# Altium PCB PCB3.PcbDoc (part 5 of 8) (continued)
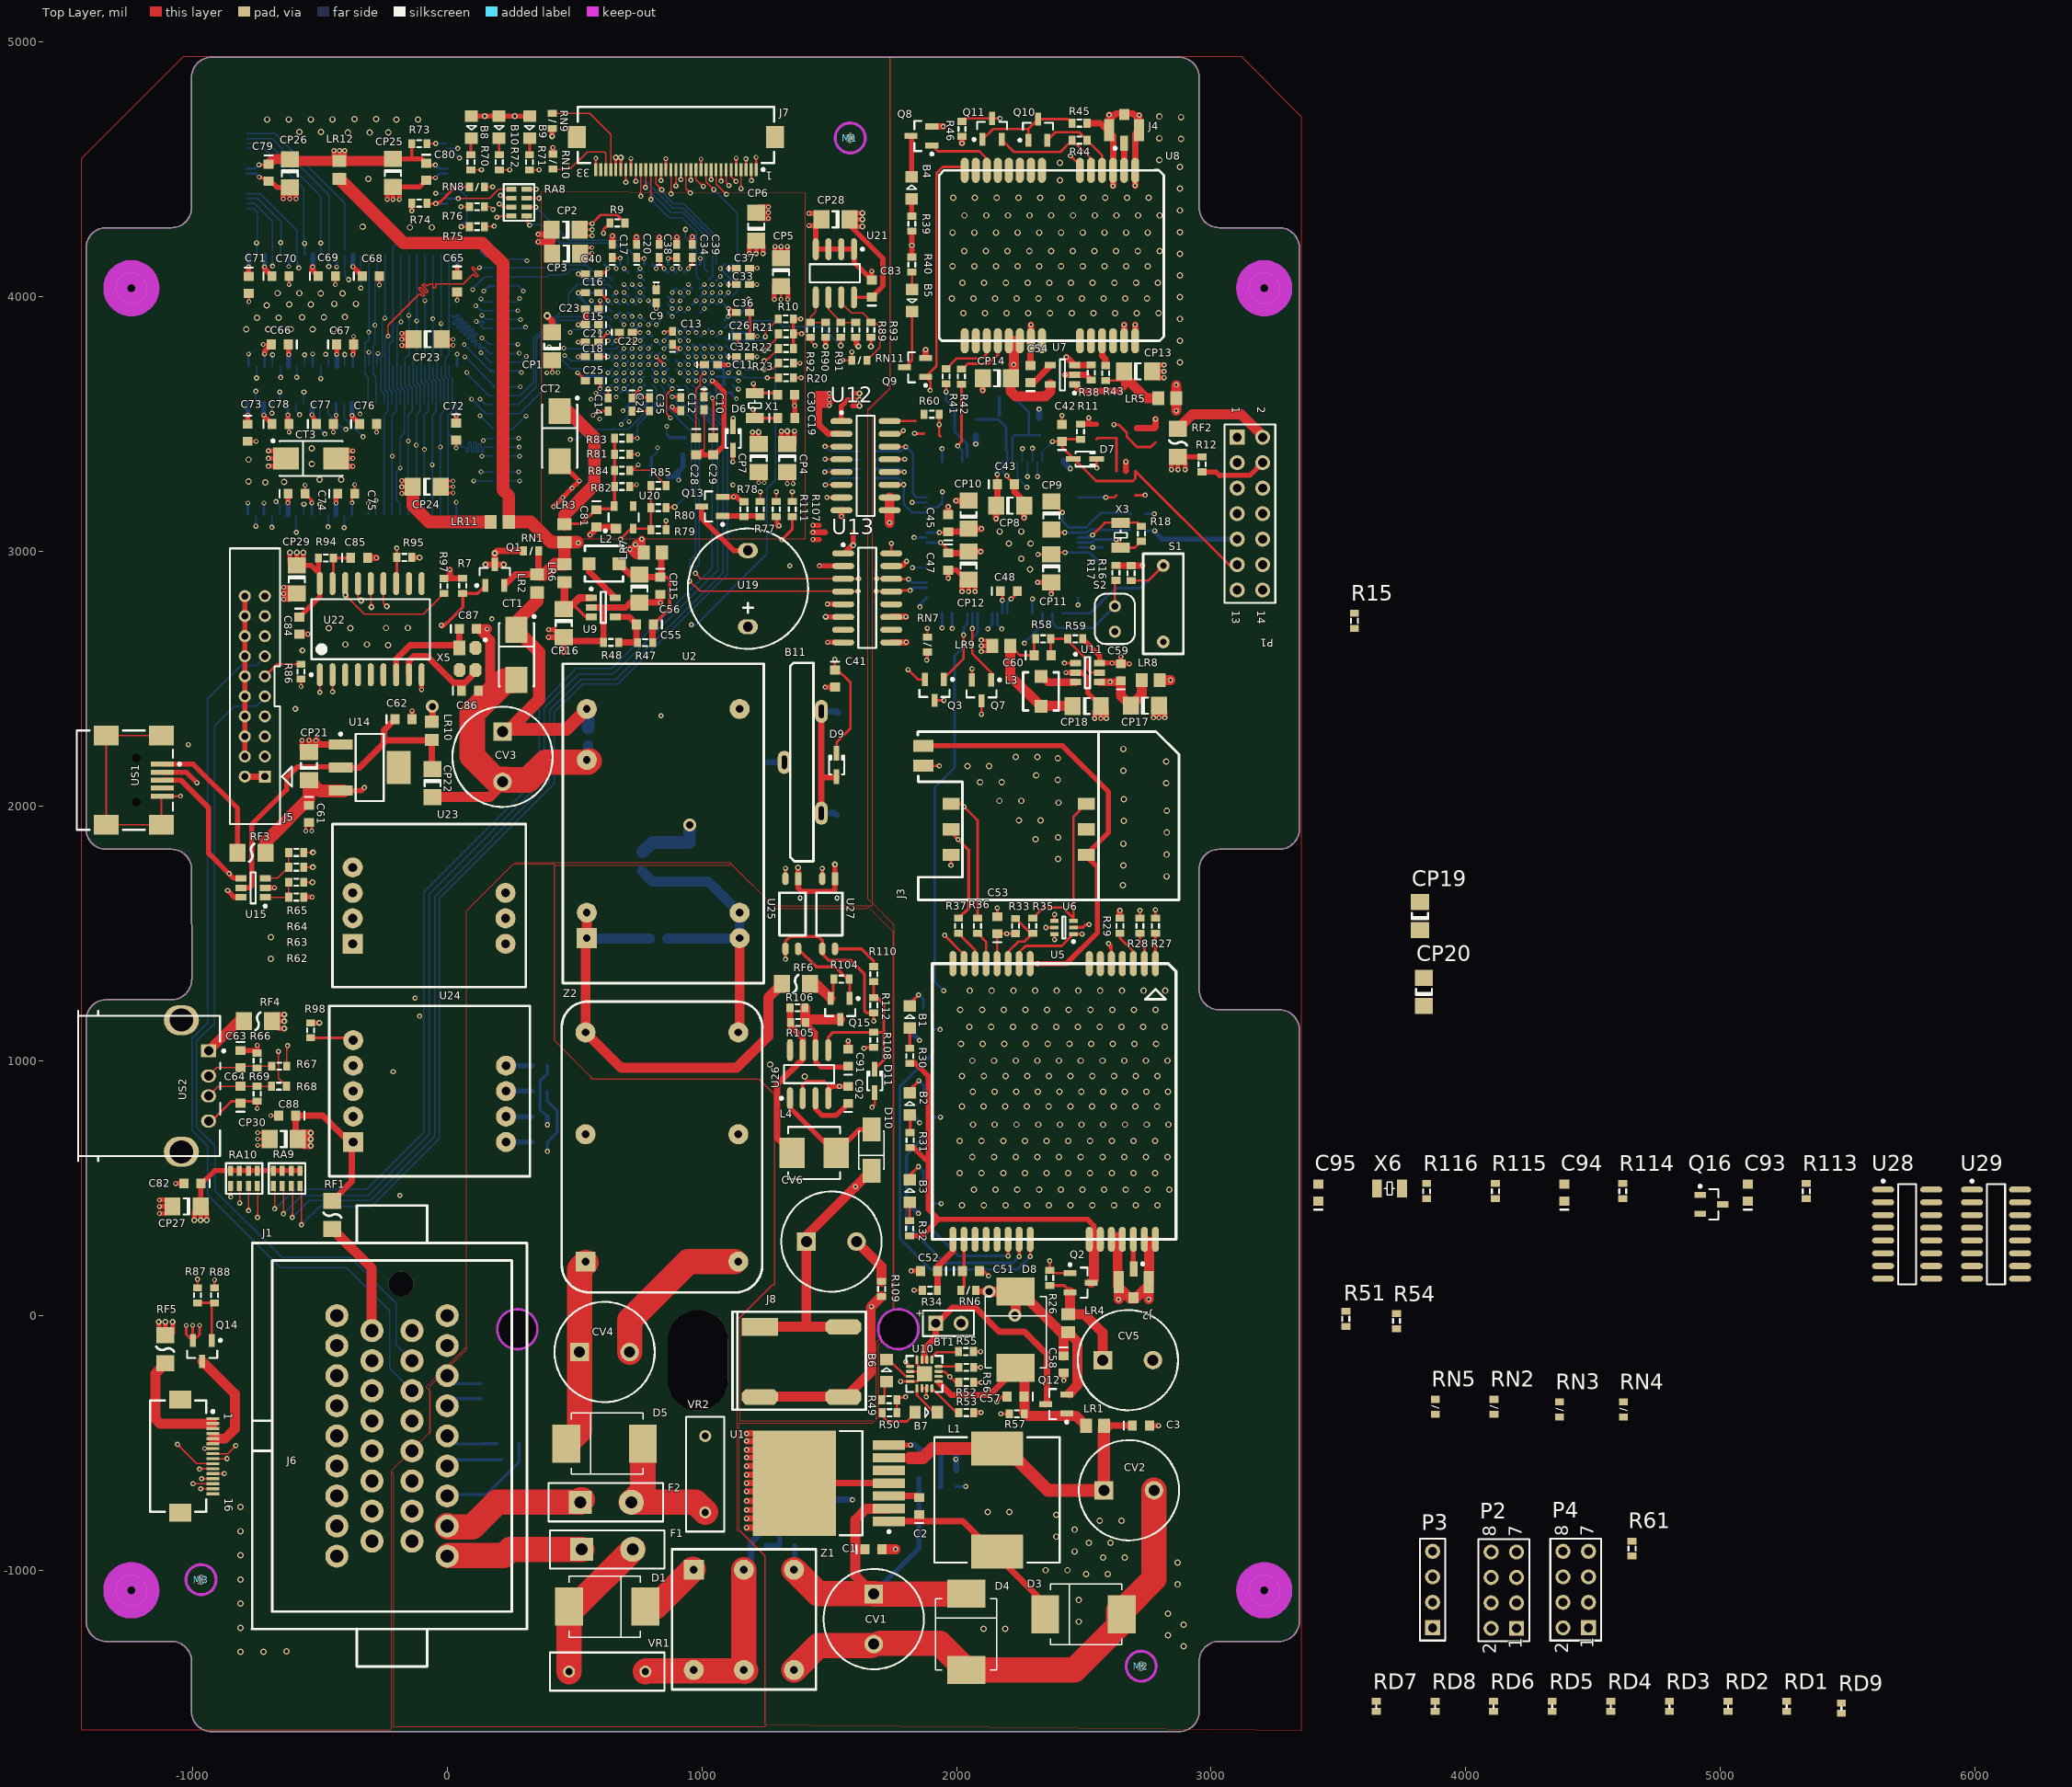
[diagram p0: Top Layer view]
## Nets (pads, with @x,y where several pads share a name; then routed paths per layer and width w, separated by ;. In a path a pad name is that pad's centre, name@x,y a point inside that pad or via, vN(x,y) a via of type N, cw(c..) or ccw(c..) an arc to the next point about the centre after c; other vN are vias at no path point) (continued)
LDATA25: U3.G12 U17.44 | length 1934
  ADDR w5: v1@709.45,3515.36 ccw(c698.36,3526.46) 714.05,3526.46 ccw(c729.74,3526.46) v1@718.65,3515.36 ; v1(714.05,3510.77) 714.05,3534.39 773.35,3593.69 773.35,3749.2 v1(789.34,3765.2) ; v1@782.84,3765.2 cw(c767.15,3765.2) 778.25,3754.1 cw(c789.34,3743.01) v1@789.34,3758.7
  DATA w5: v2@-467.9,3089.34 cw(c-467.9,3071.23) -455.1,3084.03 cw(c-442.29,3096.84) v2@-460.4,3096.84 ; v2(-467.9,3096.84) -444.88,3073.82 287.4,3073.82 714.05,3500.47 ; 695.67,3482.09 ccw(c666.99,3510.77) v1@707.55,3510.77 ; 704.2,3490.62 ccw(c684.06,3510.77) v1@712.55,3510.77 ; v1@711.25,3504.9 cw(c709.14,3500.47) 714.05,3500.47 ; 712.74,3499.16 ccw(c701.13,3510.77) v1@717.55,3510.77 ; v1(714.05,3510.77) 714.05,3500.47 ; v1@716.85,3504.9 ccw(c718.96,3500.47) 714.05,3500.47
  Bottom Layer w5: v2@-473.2,3102.14 ccw(c-486.01,3114.94) -467.9,3114.94 ccw(c-449.79,3114.94) v2@-462.6,3102.14 ; v2(-467.9,3096.84) U17.44@-467.9,3144.93
  Bottom Layer w10: v1(789.34,3765.2) U3.G12@805.09,3780.95 ; v1@789.34,3769.2 ccw(c789.34,3778.86) 796.17,3772.03 ccw(c803,3765.2) v1@793.34,3765.2
LDATA26: U3.F14 U17.45 | length 1758.2
  DATA w5: v2@-499.4,3179.13 cw(c-499.4,3161.02) -486.59,3173.83 cw(c-473.79,3186.63) v2@-491.9,3186.63 ; v2(-499.4,3186.63) -445.64,3132.87 259.38,3132.87 663.61,3537.1 711.12,3537.1 773.35,3599.33 773.35,3686.71 v1(757.85,3702.21) ; v1@757.85,3695.71 cw(c757.85,3680.01) 768.95,3691.11 cw(c780.04,3702.21) v1@764.35,3702.21
  Bottom Layer w5: v2@-504.7,3181.33 cw(c-517.5,3168.52) -499.4,3168.52 cw(c-481.29,3168.52) v2@-494.09,3181.33 ; U17.45@-499.4,3144.93 v2(-499.4,3186.63)
  Bottom Layer w10: v1(757.85,3702.21) U3.F14@773.6,3717.95 ; v1@757.85,3706.21 ccw(c757.85,3715.86) 764.68,3709.03 ccw(c771.51,3702.21) v1@761.85,3702.21
LDATA27: U3.F12 U17.47 | length 1834.6
  DATA w5: v2(-562.39,3186.63) -536.42,3212.6 -429.13,3212.6 -370.08,3153.54 257.41,3153.54 742.1,3638.23 742.1,3749.45 v1(757.85,3765.2) ; v2@-562.39,3194.13 ccw(c-562.39,3212.24) -549.58,3199.43 ccw(c-536.78,3186.63) v2@-554.89,3186.63 ; v1@751.35,3765.2 cw(c735.66,3765.2) 746.75,3754.1 cw(c757.85,3743.01) v1@757.85,3758.7
  Bottom Layer w5: v2@-567.69,3181.33 cw(c-580.49,3168.52) -562.39,3168.52 cw(c-544.28,3168.52) v2@-557.08,3181.33 ; U17.47@-562.39,3144.93 v2(-562.39,3186.63)
  Bottom Layer w10: v1(757.85,3765.2) U3.F12@773.6,3780.95 ; v1@757.85,3769.2 ccw(c757.85,3778.86) 764.68,3772.03 ccw(c771.51,3765.2) v1@761.85,3765.2
LDATA28: U3.G11 U17.48 | length 2042.4
  ADDR w5: v2@-592.55,3077.91 -589.42,3077.91 -553.99,3113.34 193.18,3113.34 203.71,3102.8 541.31,3440.39 688.95,3440.39 805.09,3556.54 805.09,3780.95 v1(789.34,3796.69) ; v2@-592.52,3083.29 ccw(c-592.52,3103.77) -578.04,3089.29 ; v2@-585.02,3075.79 cw(c-569.29,3075.79) -580.41,3086.91 ; v1@789.34,3790.19 cw(c789.34,3774.5) 800.44,3785.6 cw(c811.54,3796.69) v1@795.84,3796.69
  Bottom Layer w5: v2@-597.82,3081.09 ccw(c-607.33,3090.6) -593.88,3090.6 ; -593.88,3097.19 ccw(c-571.12,3097.19) v2@-587.22,3081.09 ; U17.48@-593.88,3144.93 -593.88,3076.17 v2@-591.54,3073.82
  Bottom Layer w10: v1(789.34,3796.69) U3.G11@805.09,3812.44 ; v1@789.34,3800.69 ccw(c789.34,3810.35) 796.17,3803.52 ccw(c803,3796.69) v1@793.34,3796.69
  other v2: -592.52,3075.79
LDATA29: U3.G16 U17.50 | length 1924.3
  ADDR w5: v2@-673.23,3195.87 -643.7,3166.34 209.65,3166.34 v2(483.27,3439.96) ; v2@-672.24,3188.37 cw(c-672.24,3172.64) -661.12,3183.76 ; v2@-664.74,3195.87 ccw(c-644.26,3195.87) -658.74,3181.38 ; v2@475.77,3439.96 cw(c457.66,3439.96) 470.46,3427.16 cw(c483.27,3414.35) v2@483.27,3432.46
  Bottom Layer w5: v2@-672.24,3188.37 cw(c-672.24,3170.26) -659.44,3183.06 cw(c-646.64,3195.87) v2@-664.74,3195.87 ; v2(-672.24,3195.87) -656.88,3180.5 U17.50@-656.88,3144.93 ; v2(483.27,3439.96) 512.34,3439.96 553.12,3480.75 711.59,3480.75 820.84,3590 820.84,3639.21 U3.G16@805.09,3654.96 ; v2@488.57,3434.66 cw(c501.37,3421.85) 501.37,3439.96 cw(c501.37,3458.07) v2@488.57,3445.26
LDATA30: U3.H13 U17.51 | length 2081
  DATA w5: v2(-688.37,3094.87) -516.13,3094.87 -476.38,3055.12 321.85,3055.12 805.09,3538.36 805.09,3717.95 v1(820.84,3733.7) ; v2@-683.07,3089.56 cw(c-670.26,3076.76) -670.26,3094.87 cw(c-670.26,3112.97) v2@-683.07,3100.17 ; v1@814.34,3733.7 cw(c798.65,3733.7) 809.74,3722.61 cw(c820.84,3711.51) v1@820.84,3727.2
  Bottom Layer w5: v2@-693.67,3100.17 ccw(c-706.48,3112.97) -688.37,3112.97 ccw(c-670.26,3112.97) v2@-683.07,3100.17 ; v2(-688.37,3094.87) U17.51@-688.37,3144.93
  Bottom Layer w10: v1(820.84,3733.7) U3.H13@836.59,3749.45 ; v1@820.84,3737.7 ccw(c820.84,3747.36) 827.67,3740.53 ccw(c834.5,3733.7) v1@824.84,3733.7
LDATA31: U3.F13 U17.53 | length 2083.1
  DATA w5: v2(-751.36,3099.79) -735.99,3115.16 269.23,3115.16 680.34,3526.27 757.11,3526.27 789.34,3558.51 789.34,3702.21 v1(757.85,3733.7) ; v2@-751.36,3107.29 ccw(c-751.36,3125.39) -738.56,3112.59 ccw(c-725.76,3099.79) v2@-743.86,3099.79 ; v1@757.85,3727.2 cw(c757.85,3711.51) 768.95,3722.61 cw(c780.04,3733.7) v1@764.35,3733.7
  Bottom Layer w5: v2@-756.67,3105.09 ccw(c-769.47,3117.89) -751.36,3117.89 ccw(c-733.26,3117.89) v2@-746.06,3105.09 ; v2(-751.36,3099.79) U17.53@-751.36,3144.93
  Bottom Layer w10: v1(757.85,3733.7) U3.F13@773.6,3749.45 ; v1@757.85,3737.7 ccw(c757.85,3747.36) 764.68,3740.53 ccw(c771.51,3733.7) v1@761.85,3733.7
LDNWBE0: U3.D4 U16.15 | length 1380.4
  DATA w5: v2@-338.92,4042.28 ccw(c-338.92,4061.99) -324.98,4048.05 ; v2@-337.6,4035.43 -305.67,4067.36 -96.48,4067.36 -1.99,4161.85 250.96,4161.85 344.46,4068.35 ; v2@-331.42,4034.78 cw(c-314.91,4034.78) -326.58,4046.45 ; 344.46,4067.36 676.16,4067.36 v1(694.86,4048.66) ; v1@688.36,4048.66 ccw(c672.66,4048.66) 683.76,4059.76 ccw(c694.86,4070.86) v1@694.86,4055.16
  Bottom Layer w5: v2@-344.22,4040.08 ccw(c-357.02,4052.89) -338.92,4052.89 ccw(c-320.81,4052.89) v2@-333.61,4040.08 ; v2(-338.92,4034.78) U16.15@-338.92,4164.94
  Bottom Layer w10: v1@694.86,4044.66 cw(c694.86,4035.01) 701.69,4041.84 cw(c708.51,4048.66) v1@698.86,4048.66 ; v1(694.86,4048.66) U3.D4@710.6,4032.92
LDNWBE1: U3.B5 U16.39 | length 1349.5
  Top Layer w5: v1(-307.11,3782.61) v1@-304.16,3785.56
  DATA w5: v1@-311.71,3787.2 ccw(c-322.8,3798.3) -307.11,3798.3 ccw(c-291.42,3798.3) v1@-302.52,3787.2 ; v1(-307.11,3782.61) -307.11,3808.5 17.87,4133.49 237,4133.49 325.76,4044.73 635.8,4044.73 v1(663.36,4017.17) ; v1@656.86,4017.17 ccw(c641.17,4017.17) 652.26,4028.26 ccw(c663.36,4039.36) v1@663.36,4023.67
  Bottom Layer w5: v1@-311.71,3778.01 cw(c-322.06,3767.66) -307.42,3767.66 ; U16.39@-307.42,3727.93 -307.42,3782.3 v1(-307.11,3782.61) ; -307.42,3766.17 cw(c-290.68,3766.17) v1@-302.52,3778.01
  Bottom Layer w10: U3.B5@647.61,4001.42 v1(663.36,4017.17) ; v1@659.36,4017.17 cw(c649.7,4017.17) 656.53,4010.34 cw(c663.36,4003.51) v1@663.36,4013.17
LDNWBE2: U3.D5 U17.15 | length 1698.2
  Top Layer w5: v1(-341.62,3539.79) v1@-341.56,3539.85
  DATA w5: v1@-346.21,3544.38 ccw(c-366.95,3565.12) -337.62,3565.12 ; v1@-342.68,3540.85 ccw(c-354.88,3553.05) -337.62,3553.05 ; v1(-341.62,3539.79) -337.62,3543.78 -337.62,3866.58 -147.66,4056.54 -82.7,4056.54 9.82,4149.06 245.05,4149.06 337.57,4056.54 655.49,4056.54 v1(694.86,4017.17) ; v1@688.36,4017.17 ccw(c672.66,4017.17) 683.76,4028.26 ccw(c694.86,4039.36) v1@694.86,4023.67
  Bottom Layer w5: v1@-346.21,3544.38 ccw(c-356.59,3554.76) U17.15@-341.92,3554.76 ; U17.15@-341.92,3556.2 ccw(c-325.21,3556.2) v1@-337.02,3544.38 ; U17.15@-341.92,3581.94 -341.92,3540.08 v1(-341.62,3539.79)
  Bottom Layer w10: v1@694.86,4013.17 cw(c694.86,4003.51) 701.69,4010.34 cw(c708.51,4017.17) v1@698.86,4017.17 ; v1(694.86,4017.17) U3.D5@710.6,4001.42
LDNWBE3: U3.E5 U17.39 | length 1878.2
  DATA w5: v1@-310.42,3184.25 cw(c-310.42,3168.56) -299.32,3179.65 cw(c-288.23,3190.75) v1@-303.92,3190.75 ; v1(-310.42,3190.75) -292.35,3172.68 212.57,3172.68 439.94,3400.04 439.94,3502.4 613.16,3675.63 613.16,3720.91 647.86,3755.6 647.86,3771.62 657.44,3781.19 805.34,3781.19 836.34,3812.19 836.34,3907.18 v1(757.85,3985.67) ; v1@757.85,3979.17 cw(c757.85,3963.48) 768.95,3974.58 cw(c780.04,3985.67) v1@764.35,3985.67
  Bottom Layer w5: v1@-315.02,3186.15 cw(c-326.11,3175.06) -310.42,3175.06 cw(c-294.73,3175.06) v1@-305.82,3186.15 ; U17.39@-310.42,3144.93 v1(-310.42,3190.75)
  Bottom Layer w10: U3.E5@742.1,4001.42 v1(757.85,3985.67) ; v1@753.85,3985.67 ccw(c744.19,3985.67) 751.02,3992.5 ccw(c757.85,3999.33) v1@757.85,3989.67
LNSCAS: RA2.5 U16.17 U17.17 | length 1450.1
  ADDR w5: v1@-288.04,3893.81 ccw(c-299.14,3904.91) -283.45,3904.91 ccw(c-267.75,3904.91) v1@-278.85,3893.81 ; v1(-283.45,3889.21) -283.45,3956.19 -228.7,4010.93 -34.87,4010.93 ccw(c-34.87,4015.93) -29.87,4015.93 -29.87,4024.61 cw(c-24.87,4024.61) -24.87,4029.61 cw(c-24.87,4024.61) -19.87,4024.61 -19.87,4015.93 ccw(c-14.87,4015.93) -14.87,4010.93 ccw(c-14.87,4015.93) -9.87,4015.93 -9.87,4024.61 cw(c-4.87,4024.61) -4.87,4029.61 cw(c-4.87,4024.61) 0.13,4024.61 0.13,4015.93 ccw(c5.13,4015.93) 5.13,4010.93 ccw(c5.13,4015.93) 10.13,4015.93 10.13,4024.61 cw(c15.13,4024.61) 15.13,4029.61 cw(c15.13,4024.61) 20.13,4024.61 20.13,4015.93 ccw(c25.13,4015.93) 25.13,4010.93 ccw(c25.13,4015.93) 30.13,4015.93 30.13,4024.61 cw(c35.13,4024.61) 35.13,4029.61 cw(c35.13,4024.61) 40.13,4024.61 40.13,4015.93 ccw(c45.13,4015.93) 45.13,4010.93 ccw(c45.13,4015.93) 50.13,4015.93 50.13,4024.61 cw(c55.13,4024.61) 55.13,4029.61 cw(c55.13,4024.61) 60.13,4024.61 60.13,4015.93 ccw(c65.13,4015.93) 65.13,4010.93 ccw(c65.13,4015.93) 70.13,4015.93 70.13,4024.61 cw(c75.13,4024.61) 75.13,4029.61 cw(c75.13,4024.61) 80.13,4024.61 80.13,4015.93 ccw(c85.13,4015.93) 85.13,4010.93 131.54,4010.93 v1(143.68,4023.07) ; v1@137.18,4023.07 cw(c121.48,4023.07) 132.58,4011.98 cw(c143.68,4000.88) v1@143.68,4016.57
  Bottom Layer w5: v1@-288.04,3884.62 cw(c-299.14,3873.52) -283.45,3873.52 cw(c-267.75,3873.52) v1@-278.85,3884.62 ; v1@-288.04,3893.81 ccw(c-299.14,3904.91) -283.45,3904.91 ccw(c-267.75,3904.91) v1@-278.85,3893.81 ; U17.17@-278.92,3581.94 -278.92,3685.63 -291.12,3697.82 -291.12,3809.74 -283.45,3817.41 v1(-283.45,3889.21) -283.45,4054.22 -275.92,4061.74 U16.17@-275.92,4164.94
  Bottom Layer w10: v1(143.68,4023.07) 163.68,4043.08 RA2.5@182.95,4043.08 ; v1@143.68,4027.07 ccw(c143.68,4036.73) 150.5,4029.9 ccw(c157.33,4023.07) v1@147.68,4023.07
LNSCS0: RA2.8 U16.19 U17.19 | length 1199.9
  Bottom Layer w5: U17.19@-215.93,3581.94 -215.93,3624.95 -228.12,3637.15 -228.12,3811.71 -212.93,3826.9 U16.19@-212.93,4164.94 -212.93,4193.91 -198.41,4208.43 123.67,4208.43 132.43,4199.67 ccw(c135.97,4203.2) 139.51,4199.67 146.58,4206.74 cw(c150.11,4203.2) 153.65,4206.74 cw(c150.11,4203.2) 153.65,4199.67 132.43,4178.45 ccw(c135.97,4174.92) 132.43,4171.38 ccw(c135.97,4174.92) 139.51,4171.38 160.72,4192.6 cw(c164.25,4189.06) 167.79,4192.6 cw(c164.25,4189.06) 167.79,4185.53 146.58,4164.31 ccw(c150.11,4160.78) 146.58,4157.24 ccw(c150.11,4160.78) 153.65,4157.24 160.72,4164.31 cw(c164.25,4160.78) 167.79,4164.31 RA2.8@184.03,4148.08 ; RA2.8@182.95,4148.08 RA2.8@184.03,4148.08 ; RA2.8@190.38,4141.72 RA2.8@184.03,4148.08
LNSRAS: RA3.8 U16.18 U17.18 | length 1468.3
  ADDR w5: v1@-249.02,3921.37 ccw(c-260.12,3932.47) -244.43,3932.47 ccw(c-228.73,3932.47) v1@-239.83,3921.37 ; v1(-244.43,3916.77) -244.43,3951.9 -236.82,3959.51 ccw(c-240.35,3963.04) -236.82,3966.58 -243.89,3973.65 cw(c-240.35,3977.19) -243.89,3980.72 cw(c-240.35,3977.19) -236.82,3980.72 -215.6,3959.51 ccw(c-212.07,3963.04) -208.53,3959.51 ccw(c-212.07,3963.04) -208.53,3966.58 -229.75,3987.79 cw(c-226.21,3991.33) -229.75,3994.86 cw(c-226.21,3991.33) -222.68,3994.86 -201.46,3973.65 ccw(c-197.93,3977.19) -194.39,3973.65 ccw(c-197.93,3977.19) -194.39,3980.72 -201.46,3987.79 cw(c-197.93,3991.33) -201.46,3994.86 -194.39,4001.93 -172.51,4001.93 cw(c-172.51,3996.93) -167.51,3996.93 -167.51,3986.93 ccw(c-162.51,3986.93) -162.51,3981.93 ccw(c-162.51,3986.93) -157.51,3986.93 -157.51,3996.93 cw(c-152.51,3996.93) -152.51,4001.93 cw(c-152.51,3996.93) -147.51,3996.93 -147.51,3986.93 ccw(c-142.51,3986.93) -142.51,3981.93 ccw(c-142.51,3986.93) -137.51,3986.93 -137.51,3996.93 cw(c-132.51,3996.93) -132.51,4001.93 cw(c-132.51,3996.93) -127.51,3996.93 -127.51,3986.93 ccw(c-122.51,3986.93) -122.51,3981.93 ccw(c-122.51,3986.93) -117.51,3986.93 -117.51,3996.93 cw(c-112.51,3996.93) -112.51,4001.93 -72.51,4001.93 cw(c-72.51,3996.93) -67.51,3996.93 -67.51,3986.93 ccw(c-62.51,3986.93) -62.51,3981.93 ccw(c-62.51,3986.93) -57.51,3986.93 -57.51,3996.93 cw(c-52.51,3996.93) -52.51,4001.93 46.01,4001.93 55.38,3992.56 v1(132.85,3992.56) ; v1@128.25,3987.96 ccw(c117.16,3976.87) 117.16,3992.56 ccw(c117.16,4008.25) v1@128.25,3997.16
  Bottom Layer w5: v1@-250.89,3916.04 cw(c-261.55,3914.83) -253.96,3907.24 ; v1@-249.02,3921.37 ccw(c-260.12,3932.47) -244.43,3932.47 ccw(c-228.73,3932.47) v1@-239.83,3921.37 ; U17.18@-247.43,3581.94 -247.43,3619.45 -259.62,3631.64 -259.62,3764.24 -253.96,3769.9 -253.96,3907.24 ; v1@-245.16,3910.31 ccw(c-246.37,3899.65) -253.96,3907.24 ; U16.18@-244.43,4164.94 v1(-244.43,3916.77) -253.96,3907.24 ; v1@132.85,3986.06 cw(c132.85,3970.37) 143.94,3981.46 cw(c155.04,3992.56) v1@139.35,3992.56 ; v1(132.85,3992.56) 144.39,3981.02 RA3.8@182.95,3981.02
LNWE: RA3.6 U16.16 U17.16 | length 1452
  ADDR w5: v1(-308.41,3861.43) -267.96,3861.43 -212.36,3917.03 cw(c-208.83,3913.5) -205.29,3917.03 -201.01,3912.75 ccw(c-197.48,3916.29) -193.94,3912.75 ccw(c-197.48,3916.29) -193.94,3919.82 -198.22,3924.1 cw(c-194.69,3927.64) -198.22,3931.17 -184.08,3945.32 -179.79,3945.32 ccw(c-179.79,3950.32) -174.79,3950.32 -174.79,3959.11 cw(c-169.79,3959.11) -169.79,3964.11 cw(c-169.79,3959.11) -164.79,3959.11 -164.79,3950.32 ccw(c-159.79,3950.32) -159.79,3945.32 ccw(c-159.79,3950.32) -154.79,3950.32 -154.79,3959.11 cw(c-149.79,3959.11) -149.79,3964.11 cw(c-149.79,3959.11) -144.79,3959.11 -144.79,3950.32 ccw(c-139.79,3950.32) -139.79,3945.32 ccw(c-139.79,3950.32) -134.79,3950.32 -134.79,3959.11 cw(c-129.79,3959.11) -129.79,3964.11 cw(c-129.79,3959.11) -124.79,3959.11 -124.79,3950.32 ccw(c-119.79,3950.32) -119.79,3945.32 ccw(c-119.79,3950.32) -114.79,3950.32 -114.79,3959.11 cw(c-109.79,3959.11) -109.79,3964.11 cw(c-109.79,3959.11) -104.79,3959.11 -104.79,3950.32 ccw(c-99.79,3950.32) -99.79,3945.32 ccw(c-99.79,3950.32) -94.79,3950.32 -94.79,3959.11 cw(c-89.79,3959.11) -89.79,3964.11 cw(c-89.79,3959.11) -84.79,3959.11 -84.79,3950.32 ccw(c-79.79,3950.32) -79.79,3945.32 ccw(c-79.79,3950.32) -74.79,3950.32 cw(c-69.79,3950.32) -69.79,3955.32 cw(c-69.79,3950.32) -64.79,3950.32 ccw(c-59.79,3950.32) -59.79,3945.32 90.21,3945.32 cw(c90.21,3940.32) 95.21,3940.32 95.21,3938.92 ccw(c100.21,3938.92) 100.21,3933.92 ccw(c100.21,3938.92) 105.21,3938.92 105.21,3940.32 cw(c110.21,3940.32) 110.21,3945.32 119.07,3945.32 v1(136.79,3927.6) ; v1@-303.81,3856.84 cw(c-292.72,3845.74) -292.72,3861.43 cw(c-292.72,3877.13) v1@-303.81,3866.03 ; v1@130.29,3927.6 ccw(c114.59,3927.6) 125.69,3938.7 ccw(c136.79,3949.79) v1@136.79,3934.1
  Bottom Layer w5: v1@-313.01,3856.84 cw(c-326.5,3843.35) -307.42,3843.35 ; v1@-313.01,3866.03 ccw(c-326.5,3879.52) -307.42,3879.52 ; U17.16@-310.42,3581.94 -310.42,3685.63 -322.61,3697.82 -322.61,3817.61 -307.42,3832.8 U16.16@-307.42,4164.94 ; -307.42,3848.14 cw(c-295.11,3848.14) v1@-303.81,3856.84 ; -307.42,3874.73 ccw(c-295.11,3874.73) v1@-303.81,3866.03 ; v1@136.79,3921.1 cw(c136.79,3905.41) 147.88,3916.5 cw(c158.98,3927.6) v1@143.29,3927.6 ; v1(136.79,3927.6) 153.37,3911.02 RA3.6@182.95,3911.02
LSCKE: RA2.7 U16.37 U17.37 | length 1600.6
  Top Layer w5: v1@-236.9,3850.5 ccw(c-248,3861.6) -232.31,3861.6 ccw(c-216.62,3861.6) v1@-227.71,3850.5 ; v1(-232.31,3845.91) -232.31,3888.23 -111.35,4009.19 cw(c-107.81,4005.65) -104.28,4009.19 -98.92,4003.83 ccw(c-95.38,4007.36) -91.85,4003.83 ccw(c-95.38,4007.36) -91.85,4010.9 -109.64,4028.69 cw(c-106.1,4032.23) -109.64,4035.76 cw(c-106.1,4032.23) -102.57,4035.76 -84.77,4017.97 ccw(c-81.24,4021.5) -77.7,4017.97 ccw(c-81.24,4021.5) -77.7,4025.04 -95.5,4042.84 cw(c-91.96,4046.37) -95.5,4049.91 cw(c-91.96,4046.37) -88.43,4049.91 -83.06,4044.54 ccw(c-79.53,4048.08) -75.99,4044.54 -68.92,4051.62 -60.38,4051.62 cw(c-60.38,4046.62) -55.38,4046.62 -55.38,4039.03 ccw(c-50.38,4039.03) -50.38,4034.03 ccw(c-50.38,4039.03) -45.38,4039.03 -45.38,4046.62 cw(c-40.38,4046.62) -40.38,4051.62 62.92,4051.62 98.62,4087.32 cw(c102.16,4083.78) 105.7,4087.32 112.77,4080.25 ccw(c116.3,4083.78) 119.84,4080.25 ccw(c116.3,4083.78) 119.84,4087.32 98.62,4108.53 cw(c102.16,4112.07) 98.62,4115.6 cw(c102.16,4112.07) 105.7,4115.6 112.77,4108.53 ccw(c116.3,4112.07) 119.84,4108.53 ; 116.3,4106.49 ccw(c112.09,4113.79) v1@120.46,4114.82 ; 118.54,4107.79 ccw(c116.1,4112.02) v1@120.74,4113.56 ; v1@120.84,4113.27 cw(c116.7,4111.67) 119.84,4108.53 ; v1@124.57,4109.54 ccw(c122.98,4105.39) 119.84,4108.53 ; v1(126.91,4115.6) 119.84,4108.53 ; 120.02,4108.64 cw(c123.45,4102.7) 125.23,4109.32 ccw(c123.45,4102.7) 120.02,4108.64
  Bottom Layer w5: U17.37@-247.43,3144.93 -247.43,3536.63 -232.23,3551.83 -232.23,3622.26 -244.43,3634.45 U16.37@-244.43,3727.93 -244.43,3833.79 v1(-232.31,3845.91) ; v1@-238.81,3845.91 cw(c-254.5,3845.91) -243.4,3834.81 cw(c-232.31,3823.71) v1@-232.31,3839.41 ; v1@127.97,4116.66 ccw(c136.63,4125.33) 136.63,4113.08 ; v1@129.44,4113.08 RA2.7@182.95,4113.08 ; v1@131.5,4111.01 cw(c136.5,4106.01) 136.5,4113.08 ; v1@131.5,4120.2 ccw(c148.7,4137.4) 148.7,4113.08
LSCLK0: RA5.7 U16.38 | length 1276.6
  Top Layer w5: v1@77.69,3700.27 v1(77.69,3703.18)
  DATA w5: v1@-271.68,3771.49 cw(c-271.68,3755.8) -260.58,3766.9 cw(c-249.49,3777.99) v1@-265.18,3777.99 ; v1(-271.68,3777.99) -196.87,3703.18 -119.99,3703.18 cw(c-119.99,3698.18) -114.99,3698.18 -114.99,3689.02 ccw(c-109.99,3689.02) -109.99,3684.02 ccw(c-109.99,3689.02) -104.99,3689.02 -104.99,3717.34 cw(c-99.99,3717.34) -99.99,3722.34 cw(c-99.99,3717.34) -94.99,3717.34 -94.99,3689.02 ccw(c-89.99,3689.02) -89.99,3684.02 ccw(c-89.99,3689.02) -84.99,3689.02 -84.99,3717.34 cw(c-79.99,3717.34) -79.99,3722.34 cw(c-79.99,3717.34) -74.99,3717.34 -74.99,3689.02 ccw(c-69.99,3689.02) -69.99,3684.02 ccw(c-69.99,3689.02) -64.99,3689.02 -64.99,3717.34 cw(c-59.99,3717.34) -59.99,3722.34 cw(c-59.99,3717.34) -54.99,3717.34 -54.99,3689.02 ccw(c-49.99,3689.02) -49.99,3684.02 ccw(c-49.99,3689.02) -44.99,3689.02 -44.99,3717.34 cw(c-39.99,3717.34) -39.99,3722.34 cw(c-39.99,3717.34) -34.99,3717.34 -34.99,3689.02 ccw(c-29.99,3689.02) -29.99,3684.02 ccw(c-29.99,3689.02) -24.99,3689.02 -24.99,3717.34 cw(c-19.99,3717.34) -19.99,3722.34 cw(c-19.99,3717.34) -14.99,3717.34 -14.99,3689.02 ccw(c-9.99,3689.02) -9.99,3684.02 ccw(c-9.99,3689.02) -4.99,3689.02 -4.99,3717.34 cw(c0.01,3717.34) 0.01,3722.34 cw(c0.01,3717.34) 5.01,3717.34 5.01,3689.02 ccw(c10.01,3689.02) 10.01,3684.02 ccw(c10.01,3689.02) 15.01,3689.02 15.01,3717.34 cw(c20.01,3717.34) 20.01,3722.34 cw(c20.01,3717.34) 25.01,3717.34 25.01,3689.02 ccw(c30.01,3689.02) 30.01,3684.02 ccw(c30.01,3689.02) 35.01,3689.02 35.01,3717.34 cw(c40.01,3717.34) 40.01,3722.34 cw(c40.01,3717.34) 45.01,3717.34 45.01,3689.02 ccw(c50.01,3689.02) 50.01,3684.02 ccw(c50.01,3689.02) 55.01,3689.02 55.01,3698.18 cw(c60.01,3698.18) 60.01,3703.18 v1(77.69,3703.18) ; v1@73.1,3698.59 ccw(c62,3687.49) 62,3703.18 ccw(c62,3718.87) v1@73.1,3707.78
  Bottom Layer w5: U16.38@-275.92,3727.93 -275.92,3773.75 v1(-271.68,3777.99) ; U16.38@-275.92,3752.05 cw(c-245.74,3752.05) v1@-267.08,3773.4 ; -275.92,3764.13 cw(c-257.81,3764.13) v1@-270.62,3776.93 ; v1@77.69,3696.68 cw(c77.69,3690.38) 82.15,3694.84 ; v1(77.69,3703.18) 77.69,3699.29 165.09,3611.9 RA5.7@182.95,3611.9 ; v1@79.19,3703.18 ccw(c92.21,3703.18) 83.01,3693.98 ; v1@84.19,3703.18 ccw(c109.28,3703.18) 91.54,3685.44
LSCLK1: RA2.6 U17.38 | length 1575.4
  DATA w5: v1@-284.15,3205.82 ccw(c-295.25,3216.91) -279.55,3216.91 ccw(c-263.86,3216.91) v1@-274.96,3205.82 ; v1(-279.55,3201.22) -279.55,3255.36 ccw(c-287.05,3255.36) -287.05,3262.86 -290.83,3262.86 cw(c-290.83,3270.36) -298.33,3270.36 cw(c-290.83,3270.36) -290.83,3277.86 -268.27,3277.86 ccw(c-268.27,3285.36) -260.77,3285.36 ccw(c-268.27,3285.36) -268.27,3292.86 -290.83,3292.86 cw(c-290.83,3300.36) -298.33,3300.36 cw(c-290.83,3300.36) -290.83,3307.86 -268.27,3307.86 ccw(c-268.27,3315.36) -260.77,3315.36 ccw(c-268.27,3315.36) -268.27,3322.86 -272.05,3322.86 cw(c-272.05,3330.36) -279.55,3330.36 -279.55,3337.05 -268.95,3347.65 cw(c-263.64,3342.35) -258.34,3347.66 -255.67,3344.98 ccw(c-250.36,3350.28) -245.06,3344.98 ccw(c-250.36,3350.28) -245.06,3355.58 -261.01,3371.54 cw(c-255.71,3376.85) -261.01,3382.15 cw(c-255.71,3376.85) -250.41,3382.15 -247.73,3379.47 ccw(c-242.43,3384.78) -237.13,3379.47 ccw(c-242.43,3384.78) -237.12,3390.08 -239.8,3392.76 cw(c-234.5,3398.06) -239.8,3403.36 cw(c-234.5,3398.06) -229.2,3403.37 ; -229.19,3403.36 -218.59,3392.76 ccw(c-213.29,3398.06) -207.98,3392.76 ccw(c-213.29,3398.06) -207.98,3403.36 ; -207.98,3403.37 -218.59,3413.97 cw(c-213.28,3419.27) -218.59,3424.58 cw(c-213.28,3419.27) -207.98,3424.58 -192.03,3408.62 ccw(c-186.72,3413.92) -181.42,3408.62 ccw(c-186.72,3413.92) -181.42,3419.22 -188.02,3425.83 cw(c-186.64,3427.2) -188.02,3428.58 16.71,3633.31 64.94,3633.31 96.64,3665.02 96.64,4025.25 v1(100.37,4028.98) ; 96.64,4004.29 cw(c125.05,4004.29) v1@104.96,4024.38 ; 96.64,4016.36 cw(c112.98,4016.36) v1@101.43,4027.92
  Bottom Layer w5: v1@-284.15,3196.63 cw(c-296.77,3184.01) -278.92,3184.01 ; v1(-279.55,3201.22) -278.92,3200.59 U17.38@-278.92,3144.93 ; -278.92,3187.05 cw(c-265.38,3187.05) v1@-274.96,3196.63 ; v1(100.37,4028.98) 98.4,4030.95 145.53,4078.08 RA2.6@182.95,4078.08 ; v1@100.37,4035.48 ccw(c100.37,4041.67) 104.74,4037.29 ; v1@101.87,4028.98 cw(c114.99,4028.98) 105.71,4038.26 ; v1@106.87,4028.98 cw(c132.07,4028.98) 114.25,4046.79
LVD2: J7.20 U3.N4 | length 695.2
  Top Layer w5: v2@834.11,4462.15 ccw(c821.3,4474.96) 839.41,4474.96 ccw(c857.52,4474.96) v2@844.71,4462.15 ; v2(839.41,4456.85) J7.20@839.41,4499.87
  ADDR w5: v2@839.41,4449.35 cw(c839.41,4405.1) 870.7,4436.39 ; v2@839.41,4454.35 cw(c839.41,4422.17) 862.16,4444.93 ; v2(839.41,4456.85) 840.24,4457.68 849.41,4457.68 1009.82,4297.27 v1(1009.82,4048.66) ; v2@839.41,4459.35 cw(c839.41,4439.25) 853.63,4453.46 ; v1@1005.22,4053.26 ccw(c994.13,4064.36) 1009.82,4064.36 ccw(c1025.51,4064.36) v1@1014.42,4053.26
  Bottom Layer w10: U3.N4@994.07,4032.92 v1(1009.82,4048.66) ; v1@1005.82,4048.66 cw(c996.16,4048.66) 1002.99,4041.84 cw(c1009.82,4035.01) v1@1009.82,4044.66
LVD3: J7.21 U3.R1 | length 592.7
  Top Layer w5: J7.21@819.73,4499.87 819.73,4444.05 v2(842.52,4421.26) ; v2@835.02,4421.26 ccw(c816.91,4421.26) 829.72,4434.06 ccw(c842.52,4446.87) v2@842.52,4428.76
  Bottom Layer w5: v2@840.02,4421.26 ccw(c857.75,4421.26) 845.21,4408.73 ; v2(842.52,4421.26) 842.52,4411.42 887.8,4366.14 927.57,4366.14 1057.06,4236.65 U3.R1@1057.06,4127.4 ; v2@845.02,4421.26 ccw(c874.82,4421.26) 853.75,4400.19 ; v2@850.02,4421.26 ccw(c891.89,4421.26) 862.28,4391.65
LVD4: J7.22 U3.N3 | length 602.1
  Top Layer w5: v2@794.74,4388.33 ccw(c781.93,4401.14) 800.04,4401.14 ccw(c818.15,4401.14) v2@805.34,4388.33 ; v2(800.04,4383.03) J7.22@800.04,4499.87
  Bottom Layer w5: v2@800.04,4375.53 cw(c800.04,4357.42) 812.84,4370.23 cw(c825.65,4383.03) v2@807.54,4383.03 ; v2(800.04,4383.03) 872.54,4310.53 922.74,4310.53 978.32,4254.95 978.32,4080.16 U3.N3@994.07,4064.41
LVD5: J7.23 U3.P2 | length 600.9
  Top Layer w5: v2@773.28,4435.64 ccw(c756.19,4452.72) 780.36,4452.72 ; v2@776.81,4432.1 ccw(c768.26,4440.65) 780.36,4440.65 ; v2(778.58,4430.33) 780.36,4432.11 J7.23@780.36,4499.87 ; 780.36,4444.16 ccw(c792.41,4444.16) v2@783.88,4435.64
  Bottom Layer w5: v2@778.58,4422.83 cw(c778.58,4404.73) 791.38,4417.53 cw(c804.19,4430.33) v2@786.08,4430.33 ; v2(778.58,4430.33) 878.7,4330.22 925.69,4330.22 1009.57,4246.33 1009.57,4111.9 U3.P2@1025.57,4095.91
LVD6: J7.24 U3.M6 | length 732.6
  Top Layer w5: v2@755.37,4400.14 ccw(c742.56,4412.95) 760.67,4412.95 ccw(c778.78,4412.95) v2@765.97,4400.14 ; v2(760.67,4394.84) J7.24@760.67,4499.87
  ADDR w5: v2@760.67,4387.34 cw(c760.67,4369.23) 773.47,4382.04 cw(c786.28,4394.84) v2@768.17,4394.84 ; v2(760.67,4394.84) 814.47,4341.04 830.22,4341.04 932.06,4239.2 932.06,4167.76 978.32,4121.5 v1(978.32,3985.67) ; v1@973.72,3990.27 ccw(c962.63,4001.36) 978.32,4001.36 ccw(c994.01,4001.36) v1@982.92,3990.27
  Bottom Layer w10: U3.M6@962.57,3969.92 v1(978.32,3985.67) ; v1@974.32,3985.67 cw(c964.66,3985.67) 971.49,3978.84 cw(c978.32,3972.02) v1@978.32,3981.67
LVD7: J7.25 U3.P3 | length 668.4
  Top Layer w5: v2@735.68,4459.2 ccw(c722.88,4472) 740.99,4472 ccw(c759.09,4472) v2@746.29,4459.2 ; v2(740.99,4453.9) J7.25@740.99,4499.87
  Bottom Layer w5: v2@742.13,4452.76 782.48,4452.76 886.81,4348.43 926.18,4348.43 1041.31,4233.29 1041.31,4080.16 U3.P3@1025.57,4064.41 ; v2@746.29,4448.59 cw(c756.34,4438.54) 756.34,4452.76 ; v2@746.29,4459.2 ccw(c761.85,4474.76) 761.85,4452.76
LVD10: J7.13 U3.N5 | length 641.8
  Top Layer w5: J7.13@977.21,4499.87 977.21,4460.79 1003.72,4434.27 v2(1005.95,4434.27) ; 989.34,4448.65 ccw(c1005.95,4465.27) v2@1005.95,4441.77 ; 994.73,4443.26 cw(c985.74,4434.27) v2@998.45,4434.27
  ADDR w5: v2(1005.95,4434.27) v2@1007.16,4433.07
  DATA w5: v2@1000.65,4428.97 cw(c978.46,4406.78) 1009.84,4406.78 ; v1@1003.32,4017.17 ccw(c987.63,4017.17) 998.72,4028.26 ccw(c1009.82,4039.36) v1@1009.82,4023.67 ; v2@1004.19,4432.5 cw(c990.53,4418.85) 1009.84,4418.85 ; v1(1009.82,4017.17) 993.11,4033.88 993.11,4117.4 1009.84,4134.13 v2@1009.84,4434.27
  Bottom Layer w10: U3.N5@994.07,4001.42 v1(1009.82,4017.17) ; v1@1005.82,4017.17 cw(c996.16,4017.17) 1002.99,4010.34 cw(c1009.82,4003.51) v1@1009.82,4013.17
LVD11: J7.14 U3.R3 | length 599.5
  Top Layer w5: v2@952.22,4463.81 ccw(c939.41,4476.61) 957.52,4476.61 ccw(c975.63,4476.61) v2@962.82,4463.81 ; v2(957.52,4458.51) J7.14@957.52,4499.87
  ADDR w5: v2@957.52,4451.01 cw(c957.52,4432.9) 970.32,4445.7 cw(c983.13,4458.51) v2@965.02,4458.51 ; v2(957.52,4458.51) 1088.56,4327.47 1088.56,4095.91 v1(1072.81,4080.16) ; v1@1072.81,4086.66 ccw(c1072.81,4102.35) 1083.91,4091.25 ccw(c1095,4080.16) v1@1079.31,4080.16
  Bottom Layer w10: U3.R3@1057.06,4064.41 v1(1072.81,4080.16) ; v1@1068.81,4080.16 cw(c1059.15,4080.16) 1065.98,4073.33 cw(c1072.81,4066.5) v1@1072.81,4076.16
LVD12: J7.15 U3.P4 | length 613
  Top Layer w5: J7.15@937.84,4499.87 937.84,4425.04 v2(954.72,4408.15) ; v2@947.22,4408.15 ccw(c929.12,4408.15) 941.92,4420.95 ccw(c954.72,4433.76) v2@954.72,4415.65
  ADDR w5: v2@954.72,4400.65 cw(c954.72,4382.54) 967.53,4395.35 cw(c980.33,4408.15) v2@962.22,4408.15 ; v2(954.72,4408.15) 1041.31,4321.56 v1(1041.31,4048.66) ; v1@1036.72,4053.26 ccw(c1025.62,4064.36) 1041.31,4064.36 ccw(c1057.01,4064.36) v1@1045.91,4053.26
  Bottom Layer w10: U3.P4@1025.57,4032.92 v1(1041.31,4048.66) ; v1@1037.31,4048.66 cw(c1027.66,4048.66) 1034.49,4041.84 cw(c1041.31,4035.01) v1@1041.31,4044.66